# Altium PCB PCB1.PcbDoc (part 5 of 6)
Units mm, origin at the board's own origin, x right, y up, seen from the top; angles counter-clockwise.
Board outline 298.25 x 690.26 mm, 2 copper layers (Top Layer, Bottom Layer); 51 components, 44 nets, 196 pads, 2408 vias.
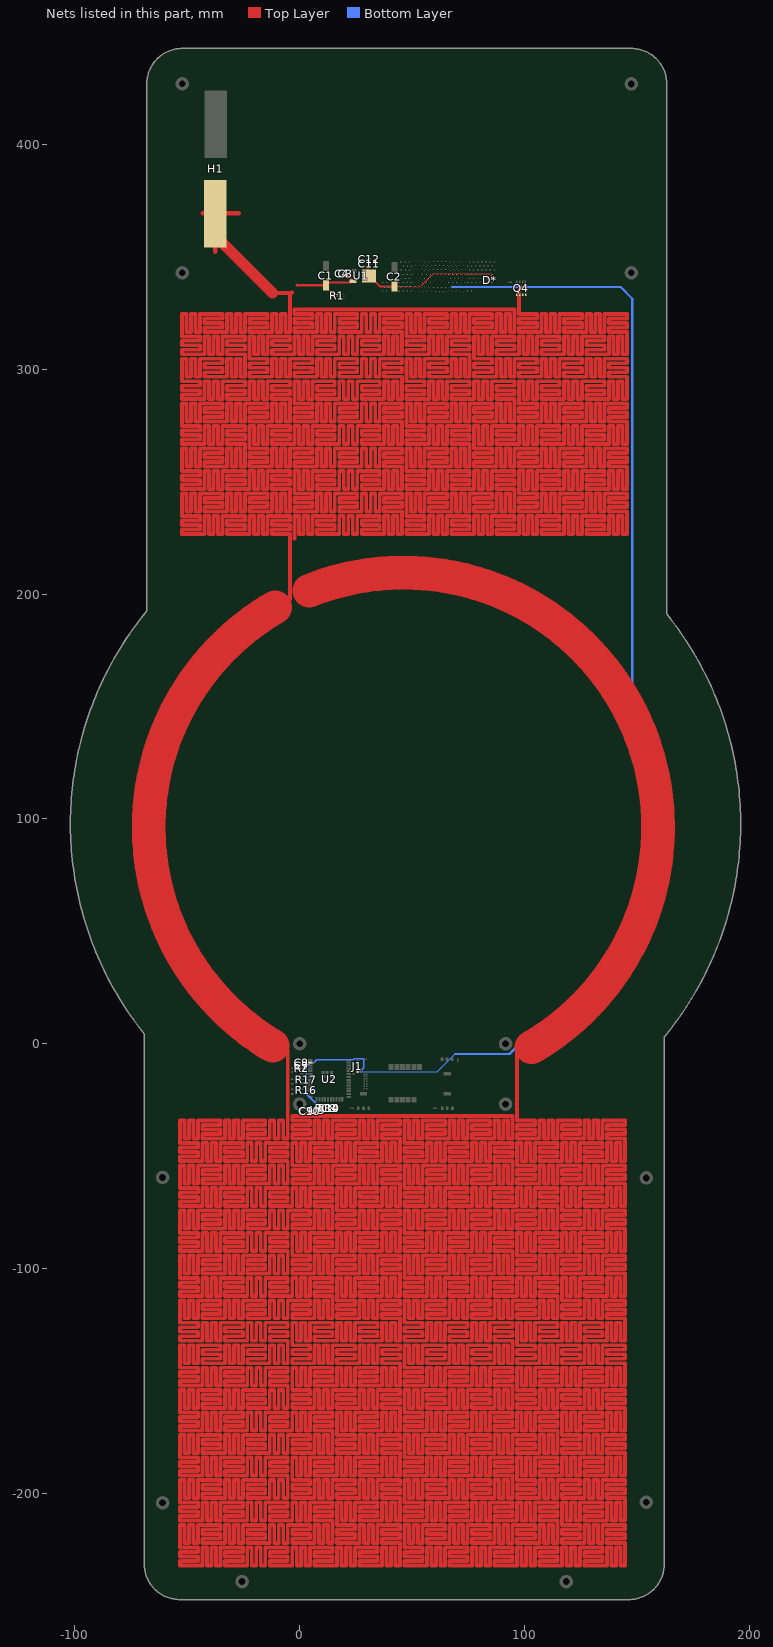
[diagram p5: the nets of this part, all layers, seen from the top]

## Via types
v1: diameter 0.6, hole 0.3, Top Layer to Bottom Layer, tented both sides, 2403 vias
v2: diameter 1.27, hole 0.711, Top Layer to Bottom Layer, tented both sides, 5 vias

## Nets (pads, with @x,y where several pads share a name; then routed paths per layer and width w, separated by ;. In a path a pad name is that pad's centre, name@x,y a point inside that pad or via, vN(x,y) a via of type N, cw(c..) or ccw(c..) an arc to the next point about the centre after c; other vN are vias at no path point) (continued)
VCC: (continued)
  Top Layer w1.75: 94.704,-32.18 94.704,-42.18 92.704,-42.18 92.704,-34.18 90.704,-34.18 90.704,-42.18 88.704,-42.18 88.704,-34.18 86.704,-34.18 86.704,-42.18 76.704,-42.18 76.704,-40.18 84.704,-40.18 84.704,-38.18 76.704,-38.18 76.704,-36.18 84.704,-36.18 84.704,-34.18 74.704,-34.18 74.704,-42.18 72.704,-42.18 72.704,-34.18 70.704,-34.18 70.704,-42.18 68.704,-42.18 68.704,-34.18 66.704,-34.18 66.704,-42.18 56.704,-42.18 56.704,-40.18 64.704,-40.18 64.704,-38.18 56.704,-38.18 56.704,-36.18 64.704,-36.18 64.704,-34.18 54.704,-34.18 54.704,-42.18 52.704,-42.18 52.704,-34.18 50.704,-34.18 50.704,-42.18 48.704,-42.18 48.704,-34.18 46.704,-34.18 46.704,-44.18 54.704,-44.18 54.704,-46.18 46.704,-46.18 46.704,-48.18 54.704,-48.18 54.704,-50.18 46.704,-50.18 46.704,-52.18 56.704,-52.18 56.704,-44.18 58.704,-44.18 58.704,-52.18 60.704,-52.18 60.704,-44.18 62.704,-44.18 62.704,-52.18 64.704,-52.18 64.704,-44.18 74.704,-44.18 74.704,-46.18 66.704,-46.18 66.704,-48.18 74.704,-48.18 74.704,-50.18 66.704,-50.18 66.704,-52.18 76.704,-52.18 76.704,-44.18 78.704,-44.18 78.704,-52.18 80.704,-52.18 80.704,-44.18 82.704,-44.18 82.704,-52.18 84.704,-52.18 84.704,-44.18 94.704,-44.18 94.704,-46.18 86.704,-46.18 86.704,-48.18 94.704,-48.18 94.704,-50.18 86.704,-50.18 86.704,-52.18 94.704,-52.18 94.704,-62.18 92.704,-62.18 92.704,-54.18 90.704,-54.18 90.704,-62.18 88.704,-62.18 88.704,-54.18 86.704,-54.18 86.704,-62.18 76.704,-62.18 76.704,-60.18 84.704,-60.18 84.704,-58.18 76.704,-58.18 76.704,-56.18 84.704,-56.18 84.704,-54.18 74.704,-54.18 74.704,-62.18 72.704,-62.18 72.704,-54.18 70.704,-54.18 70.704,-62.18 68.704,-62.18 68.704,-54.18 66.704,-54.18 66.704,-62.18 56.704,-62.18 56.704,-60.18 64.704,-60.18 64.704,-58.18 56.704,-58.18 56.704,-56.18 64.704,-56.18 64.704,-54.18 54.704,-54.18 54.704,-62.18 52.704,-62.18 52.704,-54.18 50.704,-54.18 50.704,-62.18 48.704,-62.18 48.704,-54.18 46.704,-54.18 46.704,-64.18 54.704,-64.18 54.704,-66.18 46.704,-66.18 46.704,-68.18 54.704,-68.18 54.704,-70.18 46.704,-70.18 46.704,-72.18 56.704,-72.18 56.704,-64.18 58.704,-64.18 58.704,-72.18 60.704,-72.18 60.704,-64.18 62.704,-64.18 62.704,-72.18 64.704,-72.18 64.704,-64.18 74.704,-64.18 74.704,-66.18 66.704,-66.18 66.704,-68.18 74.704,-68.18 74.704,-70.18 66.704,-70.18 66.704,-72.18 76.704,-72.18 76.704,-64.18 78.704,-64.18 78.704,-72.18 80.704,-72.18 80.704,-64.18 82.704,-64.18 82.704,-72.18 84.704,-72.18 84.704,-64.18 94.704,-64.18 94.704,-66.18 86.704,-66.18 86.704,-68.18 94.704,-68.18 94.704,-70.18 86.704,-70.18 86.704,-72.18 96.704,-72.18 96.704,-64.18 98.704,-64.18 98.704,-72.18 100.704,-72.18 100.704,-64.18 102.704,-64.18 102.704,-72.18 104.704,-72.18 104.704,-64.18 114.704,-64.18 114.704,-66.18 106.704,-66.18 106.704,-68.18 114.704,-68.18 114.704,-70.18 106.704,-70.18 106.704,-72.18 114.704,-72.18 114.704,-82.18 112.704,-82.18 112.704,-74.18 110.704,-74.18 110.704,-82.18 108.704,-82.18 108.704,-74.18 106.704,-74.18 106.704,-82.18 96.704,-82.18 96.704,-80.18 104.704,-80.18 104.704,-78.18 96.704,-78.18 96.704,-76.18 104.704,-76.18 104.704,-74.18 94.704,-74.18 94.704,-82.18 92.704,-82.18 92.704,-74.18 90.704,-74.18 90.704,-82.18 88.704,-82.18 88.704,-74.18 86.704,-74.18 86.704,-82.18 76.704,-82.18 76.704,-80.18 84.704,-80.18 84.704,-78.18 76.704,-78.18 76.704,-76.18 84.704,-76.18 84.704,-74.18 74.704,-74.18 74.704,-82.18 72.704,-82.18 72.704,-74.18 70.704,-74.18 70.704,-82.18 68.704,-82.18 68.704,-74.18 66.704,-74.18 66.704,-82.18 56.704,-82.18 56.704,-80.18 64.704,-80.18 64.704,-78.18 56.704,-78.18 56.704,-76.18 64.704,-76.18 64.704,-74.18 54.704,-74.18 54.704,-82.18 52.704,-82.18 52.704,-74.18 50.704,-74.18 50.704,-82.18 48.704,-82.18 48.704,-74.18 46.704,-74.18 46.704,-84.18 54.704,-84.18 54.704,-86.18 46.704,-86.18 46.704,-88.18 54.704,-88.18 54.704,-90.18 46.704,-90.18 46.704,-92.18 56.704,-92.18 56.704,-84.18 58.704,-84.18 58.704,-92.18 60.704,-92.18 60.704,-84.18 62.704,-84.18 62.704,-92.18 64.704,-92.18 64.704,-84.18 74.704,-84.18 74.704,-86.18 66.704,-86.18 66.704,-88.18 74.704,-88.18 74.704,-90.18 66.704,-90.18 66.704,-92.18 76.704,-92.18 76.704,-84.18 78.704,-84.18 78.704,-92.18 80.704,-92.18 80.704,-84.18 82.704,-84.18 82.704,-92.18 84.704,-92.18 84.704,-84.18 94.704,-84.18 94.704,-86.18 86.704,-86.18 86.704,-88.18 94.704,-88.18 94.704,-90.18 86.704,-90.18 86.704,-92.18 94.704,-92.18 94.704,-102.18 92.704,-102.18 92.704,-94.18 90.704,-94.18 90.704,-102.18 88.704,-102.18 88.704,-94.18 86.704,-94.18 86.704,-102.18 76.704,-102.18 76.704,-100.18 84.704,-100.18 84.704,-98.18 76.704,-98.18 76.704,-96.18 84.704,-96.18 84.704,-94.18 74.704,-94.18 74.704,-102.18 72.704,-102.18 72.704,-94.18 70.704,-94.18 70.704,-102.18 68.704,-102.18 68.704,-94.18 66.704,-94.18 66.704,-102.18 56.704,-102.18 56.704,-100.18 64.704,-100.18 64.704,-98.18 56.704,-98.18 56.704,-96.18 64.704,-96.18 64.704,-94.18 54.704,-94.18 54.704,-102.18 52.704,-102.18 52.704,-94.18 50.704,-94.18 50.704,-102.18 48.704,-102.18 48.704,-94.18 46.704,-94.18 46.704,-104.18 54.704,-104.18 54.704,-106.18 46.704,-106.18 46.704,-108.18 54.704,-108.18 54.704,-110.18 46.704,-110.18 46.704,-112.18 56.704,-112.18 56.704,-104.18 58.704,-104.18 58.704,-112.18 60.704,-112.18 60.704,-104.18 62.704,-104.18 62.704,-112.18 64.704,-112.18 64.704,-104.18 74.704,-104.18 74.704,-106.18 66.704,-106.18 66.704,-108.18 74.704,-108.18 74.704,-110.18 66.704,-110.18 66.704,-112.18 76.704,-112.18 76.704,-104.18 78.704,-104.18 78.704,-112.18 80.704,-112.18 80.704,-104.18 82.704,-104.18 82.704,-112.18 84.704,-112.18 84.704,-104.18 94.704,-104.18 94.704,-106.18 86.704,-106.18 86.704,-108.18 94.704,-108.18 94.704,-110.18 86.704,-110.18 86.704,-112.18 96.704,-112.18 96.704,-104.18 98.704,-104.18 98.704,-112.18 100.704,-112.18 100.704,-104.18 102.704,-104.18 102.704,-112.18 104.704,-112.18 104.704,-104.18 114.704,-104.18 114.704,-106.18 106.704,-106.18 106.704,-108.18 114.704,-108.18 114.704,-110.18 106.704,-110.18 106.704,-112.18 114.704,-112.18 114.704,-122.18 112.704,-122.18 112.704,-114.18 110.704,-114.18 110.704,-122.18 108.704,-122.18 108.704,-114.18 106.704,-114.18 106.704,-122.18 96.704,-122.18 96.704,-120.18 104.704,-120.18 104.704,-118.18 96.704,-118.18 96.704,-116.18 104.704,-116.18 104.704,-114.18 94.704,-114.18 94.704,-122.18 92.704,-122.18 92.704,-114.18 90.704,-114.18 90.704,-122.18 88.704,-122.18 88.704,-114.18 86.704,-114.18 86.704,-122.18 76.704,-122.18 76.704,-120.18 84.704,-120.18 84.704,-118.18 76.704,-118.18 76.704,-116.18 84.704,-116.18 84.704,-114.18 74.704,-114.18 74.704,-122.18 72.704,-122.18 72.704,-114.18 70.704,-114.18 70.704,-122.18 68.704,-122.18 68.704,-114.18 66.704,-114.18 66.704,-122.18 56.704,-122.18 56.704,-120.18 64.704,-120.18 64.704,-118.18 56.704,-118.18 56.704,-116.18 64.704,-116.18 64.704,-114.18 54.704,-114.18 54.704,-122.18 52.704,-122.18 52.704,-114.18 50.704,-114.18 50.704,-122.18 48.704,-122.18 48.704,-114.18 46.704,-114.18 46.704,-124.18 54.704,-124.18 54.704,-126.18 46.704,-126.18 46.704,-128.18 54.704,-128.18 54.704,-130.18 46.704,-130.18 46.704,-132.18 56.704,-132.18 56.704,-124.18 58.704,-124.18 58.704,-132.18 60.704,-132.18 60.704,-124.18 62.704,-124.18 62.704,-132.18 64.704,-132.18 64.704,-124.18 74.704,-124.18 74.704,-126.18 66.704,-126.18 66.704,-128.18 74.704,-128.18 74.704,-130.18 66.704,-130.18 66.704,-132.18 76.704,-132.18 76.704,-124.18 78.704,-124.18 78.704,-132.18 80.704,-132.18 80.704,-124.18 82.704,-124.18 82.704,-132.18 84.704,-132.18 84.704,-124.18 94.704,-124.18 94.704,-126.18 86.704,-126.18 86.704,-128.18 94.704,-128.18 94.704,-130.18 86.704,-130.18 86.704,-132.18 94.704,-132.18 94.704,-142.18 92.704,-142.18 92.704,-134.18 90.704,-134.18 90.704,-142.18 88.704,-142.18 88.704,-134.18 86.704,-134.18 86.704,-142.18 76.704,-142.18 76.704,-140.18 84.704,-140.18 84.704,-138.18 76.704,-138.18 76.704,-136.18 84.704,-136.18 84.704,-134.18 74.704,-134.18 74.704,-142.18 72.704,-142.18 72.704,-134.18 70.704,-134.18 70.704,-142.18 68.704,-142.18 68.704,-134.18 66.704,-134.18 66.704,-142.18 56.704,-142.18 56.704,-140.18 64.704,-140.18 64.704,-138.18 56.704,-138.18 56.704,-136.18 64.704,-136.18 64.704,-134.18 54.704,-134.18 54.704,-142.18 52.704,-142.18 52.704,-134.18 50.704,-134.18 50.704,-142.18 48.704,-142.18 48.704,-134.18 46.704,-134.18 46.704,-144.18 54.704,-144.18 54.704,-146.18 46.704,-146.18 46.704,-148.18 54.704,-148.18 54.704,-150.18 46.704,-150.18 46.704,-152.18 56.704,-152.18 56.704,-144.18 58.704,-144.18 58.704,-152.18 60.704,-152.18 60.704,-144.18 62.704,-144.18 62.704,-152.18 64.704,-152.18 64.704,-144.18 74.704,-144.18 74.704,-146.18 66.704,-146.18 66.704,-148.18 74.704,-148.18 74.704,-150.18 66.704,-150.18 66.704,-152.18 76.704,-152.18 76.704,-144.18 78.704,-144.18 78.704,-152.18 80.704,-152.18 80.704,-144.18 82.704,-144.18 82.704,-152.18 84.704,-152.18 84.704,-144.18 94.704,-144.18 94.704,-146.18 86.704,-146.18 86.704,-148.18 94.704,-148.18 94.704,-150.18 86.704,-150.18 86.704,-152.18 94.704,-152.18 94.704,-162.18 92.704,-162.18 92.704,-154.18 90.704,-154.18 90.704,-162.18 88.704,-162.18 88.704,-154.18 86.704,-154.18 86.704,-162.18 76.704,-162.18 76.704,-160.18 84.704,-160.18 84.704,-158.18 76.704,-158.18 76.704,-156.18 84.704,-156.18 84.704,-154.18 74.704,-154.18 74.704,-162.18 72.704,-162.18 72.704,-154.18 70.704,-154.18 70.704,-162.18 68.704,-162.18 68.704,-154.18 66.704,-154.18 66.704,-162.18 56.704,-162.18 56.704,-160.18 64.704,-160.18 64.704,-158.18 56.704,-158.18 56.704,-156.18 64.704,-156.18 64.704,-154.18 54.704,-154.18 54.704,-162.18 52.704,-162.18 52.704,-154.18 50.704,-154.18 50.704,-162.18 48.704,-162.18 48.704,-154.18 46.704,-154.18 46.704,-164.18 54.704,-164.18 54.704,-166.18 46.704,-166.18 46.704,-168.18 54.704,-168.18 54.704,-170.18 46.704,-170.18 46.704,-172.18 56.704,-172.18 56.704,-164.18 58.704,-164.18 58.704,-172.18 60.704,-172.18 60.704,-164.18 62.704,-164.18 62.704,-172.18 64.704,-172.18 64.704,-164.18 74.704,-164.18 74.704,-166.18 66.704,-166.18 66.704,-168.18 74.704,-168.18 74.704,-170.18 66.704,-170.18 66.704,-172.18 76.704,-172.18 76.704,-164.18 78.704,-164.18 78.704,-172.18 80.704,-172.18 80.704,-164.18 82.704,-164.18 82.704,-172.18 84.704,-172.18 84.704,-164.18 94.704,-164.18 94.704,-166.18 86.704,-166.18 86.704,-168.18 94.704,-168.18 94.704,-170.18 86.704,-170.18 86.704,-172.18 96.704,-172.18 96.704,-164.18 98.704,-164.18 98.704,-172.18 100.704,-172.18 100.704,-164.18 102.704,-164.18 102.704,-172.18 104.704,-172.18 104.704,-164.18 114.704,-164.18 114.704,-166.18 106.704,-166.18 106.704,-168.18 114.704,-168.18 114.704,-170.18 106.704,-170.18 106.704,-172.18 114.704,-172.18 114.704,-182.18 112.704,-182.18 112.704,-174.18 110.704,-174.18 110.704,-182.18 108.704,-182.18 108.704,-174.18 106.704,-174.18 106.704,-182.18 96.704,-182.18 96.704,-180.18 104.704,-180.18 104.704,-178.18 96.704,-178.18 96.704,-176.18 104.704,-176.18 104.704,-174.18 94.704,-174.18 94.704,-182.18 92.704,-182.18 92.704,-174.18 90.704,-174.18 90.704,-182.18 88.704,-182.18 88.704,-174.18 86.704,-174.18 86.704,-182.18 76.704,-182.18 76.704,-180.18 84.704,-180.18 84.704,-178.18 76.704,-178.18 76.704,-176.18 84.704,-176.18 84.704,-174.18 74.704,-174.18 74.704,-182.18 72.704,-182.18 72.704,-174.18 70.704,-174.18 70.704,-182.18 68.704,-182.18 68.704,-174.18 66.704,-174.18 66.704,-182.18 56.704,-182.18 56.704,-180.18 64.704,-180.18 64.704,-178.18 56.704,-178.18 56.704,-176.18 64.704,-176.18 64.704,-174.18 54.704,-174.18 54.704,-182.18 52.704,-182.18 52.704,-174.18 50.704,-174.18 50.704,-182.18 48.704,-182.18 48.704,-174.18 46.704,-174.18 46.704,-184.18 54.704,-184.18 54.704,-186.18 46.704,-186.18 46.704,-188.18 54.704,-188.18 54.704,-190.18 46.704,-190.18 46.704,-192.18 56.704,-192.18 56.704,-184.18 58.704,-184.18 58.704,-192.18 60.704,-192.18 60.704,-184.18 62.704,-184.18 62.704,-192.18 64.704,-192.18 64.704,-184.18 74.704,-184.18 74.704,-186.18 66.704,-186.18 66.704,-188.18 74.704,-188.18 74.704,-190.18 66.704,-190.18 66.704,-192.18 76.704,-192.18 76.704,-184.18 78.704,-184.18 78.704,-192.18 80.704,-192.18 80.704,-184.18 82.704,-184.18 82.704,-192.18 84.704,-192.18 84.704,-184.18 94.704,-184.18 94.704,-186.18 86.704,-186.18 86.704,-188.18 94.704,-188.18 94.704,-190.18 86.704,-190.18 86.704,-192.18 94.704,-192.18 94.704,-202.18 92.704,-202.18 92.704,-194.18 90.704,-194.18 90.704,-202.18 88.704,-202.18 88.704,-194.18 86.704,-194.18 86.704,-202.18 76.704,-202.18 76.704,-200.18 84.704,-200.18 84.704,-198.18 76.704,-198.18 76.704,-196.18 84.704,-196.18 84.704,-194.18 74.704,-194.18 74.704,-202.18 72.704,-202.18 72.704,-194.18 70.704,-194.18 70.704,-202.18 68.704,-202.18 68.704,-194.18 66.704,-194.18 66.704,-202.18 56.704,-202.18 56.704,-200.18 64.704,-200.18 64.704,-198.18 56.704,-198.18 56.704,-196.18 64.704,-196.18 64.704,-194.18 54.704,-194.18 54.704,-202.18 52.704,-202.18 52.704,-194.18 50.704,-194.18 50.704,-202.18 48.704,-202.18 48.704,-194.18 46.704,-194.18 46.704,-204.18 54.704,-204.18 54.704,-206.18 46.704,-206.18 46.704,-208.18 54.704,-208.18 54.704,-210.18 46.704,-210.18 46.704,-212.18 56.704,-212.18 56.704,-204.18 58.704,-204.18 58.704,-212.18 60.704,-212.18 60.704,-204.18 62.704,-204.18 62.704,-212.18 64.704,-212.18 64.704,-204.18 74.704,-204.18 74.704,-206.18 66.704,-206.18 66.704,-208.18 74.704,-208.18 74.704,-210.18 66.704,-210.18 66.704,-212.18 76.704,-212.18 76.704,-204.18 78.704,-204.18 78.704,-212.18 80.704,-212.18 80.704,-204.18 82.704,-204.18 82.704,-212.18 84.704,-212.18 84.704,-204.18 94.704,-204.18 94.704,-206.18 86.704,-206.18 86.704,-208.18 94.704,-208.18 94.704,-210.18 86.704,-210.18 86.704,-212.18 96.704,-212.18 96.704,-204.18 98.704,-204.18 98.704,-212.18 100.704,-212.18 100.704,-204.18 102.704,-204.18 102.704,-212.18 104.704,-212.18 104.704,-204.18 114.704,-204.18 114.704,-206.18 106.704,-206.18 106.704,-208.18 114.704,-208.18 114.704,-210.18 106.704,-210.18 106.704,-212.18 114.704,-212.18 114.704,-222.18 112.704,-222.18 112.704,-214.18 110.704,-214.18 110.704,-222.18 108.704,-222.18 108.704,-214.18 106.704,-214.18 106.704,-222.18 96.704,-222.18 96.704,-220.18 104.704,-220.18 104.704,-218.18 96.704,-218.18 96.704,-216.18 104.704,-216.18 104.704,-214.18 94.704,-214.18 94.704,-222.18 92.704,-222.18 92.704,-214.18 90.704,-214.18 90.704,-222.18 88.704,-222.18 88.704,-214.18 86.704,-214.18 86.704,-222.18 76.704,-222.18 76.704,-220.18 84.704,-220.18 84.704,-218.18 76.704,-218.18 76.704,-216.18 84.704,-216.18 84.704,-214.18 74.704,-214.18 74.704,-222.18 72.704,-222.18 72.704,-214.18 70.704,-214.18 70.704,-222.18 68.704,-222.18 68.704,-214.18 66.704,-214.18 66.704,-222.18 56.704,-222.18 56.704,-220.18 64.704,-220.18 64.704,-218.18 56.704,-218.18 56.704,-216.18 64.704,-216.18 64.704,-214.18 54.704,-214.18 54.704,-222.18 52.704,-222.18 52.704,-214.18 50.704,-214.18 50.704,-222.18 48.704,-222.18 48.704,-214.18 46.704,-214.18 46.704,-224.18 54.704,-224.18 54.704,-226.18 46.704,-226.18 46.704,-228.18 54.704,-228.18 54.704,-230.18 46.704,-230.18 46.704,-232.18 56.704,-232.18 56.704,-224.18 58.704,-224.18 58.704,-232.18 60.704,-232.18 60.704,-224.18 62.704,-224.18 62.704,-232.18 64.704,-232.18 64.704,-224.18 74.704,-224.18 74.704,-226.18 66.704,-226.18 66.704,-228.18 74.704,-228.18 74.704,-230.18 66.704,-230.18 66.704,-232.18 76.704,-232.18 76.704,-224.18 78.704,-224.18 78.704,-232.18 80.704,-232.18 80.704,-224.18 82.704,-224.18 82.704,-232.18 84.704,-232.18 84.704,-224.18 94.704,-224.18 94.704,-226.18 86.704,-226.18 86.704,-228.18 94.704,-228.18 94.704,-230.18 86.704,-230.18 86.704,-232.18 94.704,-232.18 96.704,-232.18 96.704,-224.18 98.704,-224.18 98.704,-232.18 100.704,-232.18 100.704,-224.18 102.704,-224.18 102.704,-232.18 104.704,-232.18 104.704,-224.18 114.704,-224.18 114.704,-226.18 106.704,-226.18 106.704,-228.18 114.704,-228.18 114.704,-230.18 106.704,-230.18 106.704,-232.18 116.704,-232.18 116.704,-224.18 118.704,-224.18 118.704,-232.18 120.704,-232.18 120.704,-224.18 122.704,-224.18 122.704,-232.18 124.704,-232.18 124.704,-224.18 134.704,-224.18 134.704,-226.18 126.704,-226.18 126.704,-228.18 134.704,-228.18 134.704,-230.18 126.704,-230.18 126.704,-232.18 136.704,-232.18 136.704,-224.18 138.704,-224.18 138.704,-232.18 140.704,-232.18 140.704,-224.18 142.704,-224.18 142.704,-232.18 144.704,-232.18 144.704,-222.18 136.704,-222.18 136.704,-220.18 144.704,-220.18 144.704,-218.18 136.704,-218.18 136.704,-216.18 144.704,-216.18 144.704,-214.18 134.704,-214.18 134.704,-222.18 132.704,-222.18 132.704,-214.18 130.704,-214.18 130.704,-222.18 128.704,-222.18 128.704,-214.18 126.704,-214.18 126.704,-222.18 116.704,-222.18 116.704,-220.18 124.704,-220.18 124.704,-218.18 116.704,-218.18 116.704,-216.18 124.704,-216.18 124.704,-214.18 116.704,-214.18 116.704,-204.18 118.704,-204.18 118.704,-212.18 120.704,-212.18 120.704,-204.18 122.704,-204.18 122.704,-212.18 124.704,-212.18 124.704,-204.18 134.704,-204.18 134.704,-206.18 126.704,-206.18 126.704,-208.18 134.704,-208.18 134.704,-210.18 126.704,-210.18 126.704,-212.18 136.704,-212.18 136.704,-204.18 138.704,-204.18 138.704,-212.18 140.704,-212.18 140.704,-204.18 142.704,-204.18 142.704,-212.18 144.704,-212.18 144.704,-202.18 136.704,-202.18 136.704,-200.18 144.704,-200.18 144.704,-198.18 136.704,-198.18 136.704,-196.18 144.704,-196.18 144.704,-194.18 134.704,-194.18 134.704,-202.18 132.704,-202.18 132.704,-194.18 130.704,-194.18 130.704,-202.18 128.704,-202.18 128.704,-194.18 126.704,-194.18 126.704,-202.18 116.704,-202.18 116.704,-200.18 124.704,-200.18 124.704,-198.18 116.704,-198.18 116.704,-196.18 124.704,-196.18 124.704,-194.18 114.704,-194.18 114.704,-202.18 112.704,-202.18 112.704,-194.18 110.704,-194.18 110.704,-202.18 108.704,-202.18 108.704,-194.18 106.704,-194.18 106.704,-202.18 96.704,-202.18 96.704,-200.18 104.704,-200.18 104.704,-198.18 96.704,-198.18 96.704,-196.18 104.704,-196.18 104.704,-194.18 96.704,-194.18 96.704,-184.18 98.704,-184.18 98.704,-192.18 100.704,-192.18 100.704,-184.18 102.704,-184.18 102.704,-192.18 104.704,-192.18 104.704,-184.18 114.704,-184.18 114.704,-186.18 106.704,-186.18 106.704,-188.18 114.704,-188.18 114.704,-190.18 106.704,-190.18 106.704,-192.18 116.704,-192.18 116.704,-184.18 118.704,-184.18 118.704,-192.18 120.704,-192.18 120.704,-184.18 122.704,-184.18 122.704,-192.18 124.704,-192.18 124.704,-184.18 134.704,-184.18 134.704,-186.18 126.704,-186.18 126.704,-188.18 134.704,-188.18 134.704,-190.18 126.704,-190.18 126.704,-192.18 136.704,-192.18 136.704,-184.18 138.704,-184.18 138.704,-192.18 140.704,-192.18 140.704,-184.18 142.704,-184.18 142.704,-192.18 144.704,-192.18 144.704,-182.18 136.704,-182.18 136.704,-180.18 144.704,-180.18 144.704,-178.18 136.704,-178.18 136.704,-176.18 144.704,-176.18 144.704,-174.18 134.704,-174.18 134.704,-182.18 132.704,-182.18 132.704,-174.18 130.704,-174.18 130.704,-182.18 128.704,-182.18 128.704,-174.18 126.704,-174.18 126.704,-182.18 116.704,-182.18 116.704,-180.18 124.704,-180.18 124.704,-178.18 116.704,-178.18 116.704,-176.18 124.704,-176.18 124.704,-174.18 116.704,-174.18 116.704,-164.18 118.704,-164.18 118.704,-172.18 120.704,-172.18 120.704,-164.18 122.704,-164.18 122.704,-172.18 124.704,-172.18 124.704,-164.18 134.704,-164.18 134.704,-166.18 126.704,-166.18 126.704,-168.18 134.704,-168.18 134.704,-170.18 126.704,-170.18 126.704,-172.18 136.704,-172.18 136.704,-164.18 138.704,-164.18 138.704,-172.18 140.704,-172.18 140.704,-164.18 142.704,-164.18 142.704,-172.18 144.704,-172.18 144.704,-162.18 136.704,-162.18 136.704,-160.18 144.704,-160.18 144.704,-158.18 136.704,-158.18 136.704,-156.18 144.704,-156.18 144.704,-154.18 134.704,-154.18 134.704,-162.18 132.704,-162.18 132.704,-154.18 130.704,-154.18 130.704,-162.18 128.704,-162.18 128.704,-154.18 126.704,-154.18 126.704,-162.18 116.704,-162.18 116.704,-160.18 124.704,-160.18 124.704,-158.18 116.704,-158.18 116.704,-156.18 124.704,-156.18 124.704,-154.18 114.704,-154.18 114.704,-162.18 112.704,-162.18 112.704,-154.18 110.704,-154.18 110.704,-162.18 108.704,-162.18 108.704,-154.18 106.704,-154.18 106.704,-162.18 96.704,-162.18 96.704,-160.18 104.704,-160.18 104.704,-158.18 96.704,-158.18 96.704,-156.18 104.704,-156.18 104.704,-154.18 96.704,-154.18 96.704,-144.18 98.704,-144.18 98.704,-152.18 100.704,-152.18 100.704,-144.18 102.704,-144.18 102.704,-152.18 104.704,-152.18 104.704,-144.18 114.704,-144.18 114.704,-146.18 106.704,-146.18 106.704,-148.18 114.704,-148.18 114.704,-150.18 106.704,-150.18 106.704,-152.18 116.704,-152.18 116.704,-144.18 118.704,-144.18 118.704,-152.18 120.704,-152.18 120.704,-144.18 122.704,-144.18 122.704,-152.18 124.704,-152.18 124.704,-144.18 134.704,-144.18 134.704,-146.18 126.704,-146.18 126.704,-148.18 134.704,-148.18 134.704,-150.18 126.704,-150.18 126.704,-152.18 136.704,-152.18 136.704,-144.18 138.704,-144.18 138.704,-152.18 140.704,-152.18 140.704,-144.18 142.704,-144.18 142.704,-152.18 144.704,-152.18 144.704,-142.18 136.704,-142.18 136.704,-140.18 144.704,-140.18 144.704,-138.18 136.704,-138.18 136.704,-136.18 144.704,-136.18 144.704,-134.18 134.704,-134.18 134.704,-142.18 132.704,-142.18 132.704,-134.18 130.704,-134.18 130.704,-142.18 128.704,-142.18 128.704,-134.18 126.704,-134.18 126.704,-142.18 116.704,-142.18 116.704,-140.18 124.704,-140.18 124.704,-138.18 116.704,-138.18 116.704,-136.18 124.704,-136.18 124.704,-134.18 114.704,-134.18 114.704,-142.18 112.704,-142.18 112.704,-134.18 110.704,-134.18 110.704,-142.18 108.704,-142.18 108.704,-134.18 106.704,-134.18 106.704,-142.18 96.704,-142.18 96.704,-140.18 104.704,-140.18 104.704,-138.18 96.704,-138.18 96.704,-136.18 104.704,-136.18 104.704,-134.18 96.704,-134.18 96.704,-124.18 98.704,-124.18 98.704,-132.18 100.704,-132.18 100.704,-124.18 102.704,-124.18 102.704,-132.18 104.704,-132.18 104.704,-124.18 114.704,-124.18 114.704,-126.18 106.704,-126.18 106.704,-128.18 114.704,-128.18 114.704,-130.18 106.704,-130.18 106.704,-132.18 116.704,-132.18 116.704,-124.18 118.704,-124.18 118.704,-132.18 120.704,-132.18 120.704,-124.18 122.704,-124.18 122.704,-132.18 124.704,-132.18 124.704,-124.18 134.704,-124.18 134.704,-126.18 126.704,-126.18 126.704,-128.18 134.704,-128.18 134.704,-130.18 126.704,-130.18 126.704,-132.18 136.704,-132.18 136.704,-124.18 138.704,-124.18 138.704,-132.18 140.704,-132.18 140.704,-124.18 142.704,-124.18 142.704,-132.18 144.704,-132.18 144.704,-122.18 136.704,-122.18 136.704,-120.18 144.704,-120.18 144.704,-118.18 136.704,-118.18 136.704,-116.18 144.704,-116.18 144.704,-114.18 134.704,-114.18 134.704,-122.18 132.704,-122.18 132.704,-114.18 130.704,-114.18 130.704,-122.18 128.704,-122.18 128.704,-114.18 126.704,-114.18 126.704,-122.18 116.704,-122.18 116.704,-120.18 124.704,-120.18 124.704,-118.18 116.704,-118.18 116.704,-116.18 124.704,-116.18 124.704,-114.18 116.704,-114.18 116.704,-104.18 118.704,-104.18 118.704,-112.18 120.704,-112.18 120.704,-104.18 122.704,-104.18 122.704,-112.18 124.704,-112.18 124.704,-104.18 134.704,-104.18 134.704,-106.18 126.704,-106.18 126.704,-108.18 134.704,-108.18 134.704,-110.18 126.704,-110.18 126.704,-112.18 136.704,-112.18 136.704,-104.18 138.704,-104.18 138.704,-112.18 140.704,-112.18 140.704,-104.18 142.704,-104.18 142.704,-112.18 144.704,-112.18 144.704,-102.18 136.704,-102.18 136.704,-100.18 144.704,-100.18 144.704,-98.18 136.704,-98.18 136.704,-96.18 144.704,-96.18 144.704,-94.18 134.704,-94.18 134.704,-102.18 132.704,-102.18 132.704,-94.18 130.704,-94.18 130.704,-102.18 128.704,-102.18 128.704,-94.18 126.704,-94.18 126.704,-102.18 116.704,-102.18 116.704,-100.18 124.704,-100.18 124.704,-98.18 116.704,-98.18 116.704,-96.18 124.704,-96.18 124.704,-94.18 114.704,-94.18 114.704,-102.18 112.704,-102.18 112.704,-94.18 110.704,-94.18 110.704,-102.18 108.704,-102.18 108.704,-94.18 106.704,-94.18 106.704,-102.18 96.704,-102.18 96.704,-100.18 104.704,-100.18 104.704,-98.18 96.704,-98.18 96.704,-96.18 104.704,-96.18 104.704,-94.18 96.704,-94.18 96.704,-84.18 98.704,-84.18 98.704,-92.18 100.704,-92.18 100.704,-84.18 102.704,-84.18 102.704,-92.18 104.704,-92.18 104.704,-84.18 114.704,-84.18 114.704,-86.18 106.704,-86.18 106.704,-88.18 114.704,-88.18 114.704,-90.18 106.704,-90.18 106.704,-92.18 116.704,-92.18 116.704,-84.18 118.704,-84.18 118.704,-92.18 120.704,-92.18 120.704,-84.18 122.704,-84.18 122.704,-92.18 124.704,-92.18 124.704,-84.18 134.704,-84.18 134.704,-86.18 126.704,-86.18 126.704,-88.18 134.704,-88.18 134.704,-90.18 126.704,-90.18 126.704,-92.18 136.704,-92.18 136.704,-84.18 138.704,-84.18 138.704,-92.18 140.704,-92.18 140.704,-84.18 142.704,-84.18 142.704,-92.18 144.704,-92.18 144.704,-82.18 136.704,-82.18 136.704,-80.18 144.704,-80.18 144.704,-78.18 136.704,-78.18 136.704,-76.18 144.704,-76.18 144.704,-74.18 134.704,-74.18 134.704,-82.18 132.704,-82.18 132.704,-74.18 130.704,-74.18 130.704,-82.18 128.704,-82.18 128.704,-74.18 126.704,-74.18 126.704,-82.18 116.704,-82.18 116.704,-80.18 124.704,-80.18 124.704,-78.18 116.704,-78.18 116.704,-76.18 124.704,-76.18 124.704,-74.18 116.704,-74.18 116.704,-64.18 118.704,-64.18 118.704,-72.18 120.704,-72.18 120.704,-64.18 122.704,-64.18 122.704,-72.18 124.704,-72.18 124.704,-64.18 134.704,-64.18 134.704,-66.18 126.704,-66.18 126.704,-68.18 134.704,-68.18 134.704,-70.18 126.704,-70.18 126.704,-72.18 136.704,-72.18 136.704,-64.18 138.704,-64.18 138.704,-72.18 140.704,-72.18 140.704,-64.18 142.704,-64.18 142.704,-72.18 144.704,-72.18 144.704,-62.18 136.704,-62.18 136.704,-60.18 144.704,-60.18 144.704,-58.18 136.704,-58.18 136.704,-56.18 144.704,-56.18 144.704,-54.18 134.704,-54.18 134.704,-62.18 132.704,-62.18 132.704,-54.18 130.704,-54.18 130.704,-62.18 128.704,-62.18 128.704,-54.18 126.704,-54.18 126.704,-62.18 116.704,-62.18 116.704,-60.18 124.704,-60.18 124.704,-58.18 116.704,-58.18 116.704,-56.18 124.704,-56.18 124.704,-54.18 114.704,-54.18 114.704,-62.18 112.704,-62.18 112.704,-54.18 110.704,-54.18 110.704,-62.18 108.704,-62.18 108.704,-54.18 106.704,-54.18 106.704,-62.18 96.704,-62.18 96.704,-60.18 104.704,-60.18 104.704,-58.18 96.704,-58.18 96.704,-56.18 104.704,-56.18 104.704,-54.18 96.704,-54.18 96.704,-44.18 98.704,-44.18 98.704,-52.18 100.704,-52.18 100.704,-44.18 102.704,-44.18 102.704,-52.18 104.704,-52.18 104.704,-44.18 114.704,-44.18 114.704,-46.18 106.704,-46.18 106.704,-48.18 114.704,-48.18 114.704,-50.18 106.704,-50.18 106.704,-52.18 116.704,-52.18 116.704,-44.18 118.704,-44.18 118.704,-52.18 120.704,-52.18 120.704,-44.18 122.704,-44.18 122.704,-52.18 124.704,-52.18 124.704,-44.18 134.704,-44.18 134.704,-46.18 126.704,-46.18 126.704,-48.18 134.704,-48.18 134.704,-50.18 126.704,-50.18 126.704,-52.18 136.704,-52.18 136.704,-44.18 138.704,-44.18 138.704,-52.18 140.704,-52.18 140.704,-44.18 142.704,-44.18 142.704,-52.18 144.704,-52.18 144.704,-42.18 136.704,-42.18 136.704,-40.18 144.704,-40.18 144.704,-38.18 136.704,-38.18 136.704,-36.18 144.704,-36.18 144.704,-34.18 134.704,-34.18 134.704,-42.18 132.704,-42.18 132.704,-34.18 130.704,-34.18 130.704,-42.18 128.704,-42.18 128.704,-34.18 126.704,-34.18 126.704,-42.18 116.704,-42.18 116.704,-40.18 124.704,-40.18 124.704,-38.18 116.704,-38.18 116.704,-36.18 124.704,-36.18 124.704,-34.18 114.704,-34.18 114.704,-42.18 112.704,-42.18 112.704,-34.18 110.704,-34.18 110.704,-42.18 108.704,-42.18 108.704,-34.18 106.704,-34.18 106.704,-42.18 96.704,-42.18 96.704,-40.18 104.704,-40.18 104.704,-38.18 96.704,-38.18 96.704,-36.18 104.704,-36.18 104.704,-34.18 96.704,-34.18 96.704,-32.18 96.704,-1.929 ; 95.622,324.546 95.622,326.603 ; 95.638,326.8 95.638,316.8 93.638,316.8 93.638,324.8 91.638,324.8 91.638,316.8 89.638,316.8 89.638,324.8 87.638,324.8 87.638,316.8 77.638,316.8 77.638,318.8 85.638,318.8 85.638,320.8 77.638,320.8 77.638,322.8 85.638,322.8 85.638,324.8 75.638,324.8 75.638,316.8 73.638,316.8 73.638,324.8 71.638,324.8 71.638,316.8 69.638,316.8 69.638,324.8 67.638,324.8 67.638,316.8 57.638,316.8 57.638,318.8 65.638,318.8 65.638,320.8 57.638,320.8 57.638,322.8 65.638,322.8 65.638,324.8 55.638,324.8 55.638,316.8 53.638,316.8 53.638,324.8 51.638,324.8 51.638,316.8 49.638,316.8 49.638,324.8 47.638,324.8 47.638,314.8 55.638,314.8 55.638,312.8 47.638,312.8 47.638,310.8 55.638,310.8 55.638,308.8 47.638,308.8 47.638,306.8 57.638,306.8 57.638,314.8 59.638,314.8 59.638,306.8 61.638,306.8 61.638,314.8 63.638,314.8 63.638,306.8 65.638,306.8 65.638,314.8 75.638,314.8 75.638,312.8 67.638,312.8 67.638,310.8 75.638,310.8 75.638,308.8 67.638,308.8 67.638,306.8 75.638,306.8 75.638,296.8 73.638,296.8 73.638,304.8 71.638,304.8 71.638,296.8 69.638,296.8 69.638,304.8 67.638,304.8 67.638,296.8 57.638,296.8 57.638,298.8 65.638,298.8 65.638,300.8 57.638,300.8 57.638,302.8 65.638,302.8 65.638,304.8 55.638,304.8 55.638,296.8 53.638,296.8 53.638,304.8 51.638,304.8 51.638,296.8 49.638,296.8 49.638,304.8 47.638,304.8 47.638,294.8 55.638,294.8 55.638,292.8 47.638,292.8 47.638,290.8 55.638,290.8 55.638,288.8 47.638,288.8 47.638,286.8 57.638,286.8 57.638,294.8 59.638,294.8 59.638,286.8 61.638,286.8 61.638,294.8 63.638,294.8 63.638,286.8 65.638,286.8 65.638,294.8 75.638,294.8 75.638,292.8 67.638,292.8 67.638,290.8 75.638,290.8 75.638,288.8 67.638,288.8 67.638,286.8 77.638,286.8 77.638,294.8 79.638,294.8 79.638,286.8 81.638,286.8 81.638,294.8 83.638,294.8 83.638,286.8 85.638,286.8 85.638,294.8 95.638,294.8 95.638,292.8 87.638,292.8 87.638,290.8 95.638,290.8 95.638,288.8 87.638,288.8 87.638,286.8 95.638,286.8 95.638,276.8 93.638,276.8 93.638,284.8 91.638,284.8 91.638,276.8 89.638,276.8 89.638,284.8 87.638,284.8 87.638,276.8 77.638,276.8 77.638,278.8 85.638,278.8 85.638,280.8 77.638,280.8 77.638,282.8 85.638,282.8 85.638,284.8 75.638,284.8 75.638,276.8 73.638,276.8 73.638,284.8 71.638,284.8 71.638,276.8 69.638,276.8 69.638,284.8 67.638,284.8 67.638,276.8 57.638,276.8 57.638,278.8 65.638,278.8 65.638,280.8 57.638,280.8 57.638,282.8 65.638,282.8 65.638,284.8 55.638,284.8 55.638,276.8 53.638,276.8 53.638,284.8 51.638,284.8 51.638,276.8 49.638,276.8 49.638,284.8 47.638,284.8 47.638,274.8 55.638,274.8 55.638,272.8 47.638,272.8 47.638,270.8 55.638,270.8 55.638,268.8 47.638,268.8 47.638,266.8 57.638,266.8 57.638,274.8 59.638,274.8 59.638,266.8 61.638,266.8 61.638,274.8 63.638,274.8 63.638,266.8 65.638,266.8 65.638,274.8 75.638,274.8 75.638,272.8 67.638,272.8 67.638,270.8 75.638,270.8 75.638,268.8 67.638,268.8 67.638,266.8 75.638,266.8 75.638,256.8 73.638,256.8 73.638,264.8 71.638,264.8 71.638,256.8 69.638,256.8 69.638,264.8 67.638,264.8 67.638,256.8 57.638,256.8 57.638,258.8 65.638,258.8 65.638,260.8 57.638,260.8 57.638,262.8 65.638,262.8 65.638,264.8 55.638,264.8 55.638,256.8 53.638,256.8 53.638,264.8 51.638,264.8 51.638,256.8 49.638,256.8 49.638,264.8 47.638,264.8 47.638,254.8 55.638,254.8 55.638,252.8 47.638,252.8 47.638,250.8 55.638,250.8 55.638,248.8 47.638,248.8 47.638,246.8 57.638,246.8 57.638,254.8 59.638,254.8 59.638,246.8 61.638,246.8 61.638,254.8 63.638,254.8 63.638,246.8 65.638,246.8 65.638,254.8 75.638,254.8 75.638,252.8 67.638,252.8 67.638,250.8 75.638,250.8 75.638,248.8 67.638,248.8 67.638,246.8 77.638,246.8 77.638,254.8 79.638,254.8 79.638,246.8 81.638,246.8 81.638,254.8 83.638,254.8 83.638,246.8 85.638,246.8 85.638,254.8 95.638,254.8 95.638,252.8 87.638,252.8 87.638,250.8 95.638,250.8 95.638,248.8 87.638,248.8 87.638,246.8 95.638,246.8 95.638,236.8 93.638,236.8 93.638,244.8 91.638,244.8 91.638,236.8 89.638,236.8 89.638,244.8 87.638,244.8 87.638,236.8 77.638,236.8 77.638,238.8 85.638,238.8 85.638,240.8 77.638,240.8 77.638,242.8 85.638,242.8 85.638,244.8 75.638,244.8 75.638,236.8 73.638,236.8 73.638,244.8 71.638,244.8 71.638,236.8 69.638,236.8 69.638,244.8 67.638,244.8 67.638,236.8 57.638,236.8 57.638,238.8 65.638,238.8 65.638,240.8 57.638,240.8 57.638,242.8 65.638,242.8 65.638,244.8 55.638,244.8 55.638,236.8 53.638,236.8 53.638,244.8 51.638,244.8 51.638,236.8 49.638,236.8 49.638,244.8 47.638,244.8 47.638,234.8 55.638,234.8 55.638,232.8 47.638,232.8 47.638,230.8 55.638,230.8 55.638,228.8 47.638,228.8 47.638,226.8 57.638,226.8 57.638,234.8 59.638,234.8 59.638,226.8 61.638,226.8 61.638,234.8 63.638,234.8 63.638,226.8 65.638,226.8 65.638,234.8 75.638,234.8 75.638,232.8 67.638,232.8 67.638,230.8 75.638,230.8 75.638,228.8 67.638,228.8 67.638,226.8 77.638,226.8 77.638,234.8 79.638,234.8 79.638,226.8 81.638,226.8 81.638,234.8 83.638,234.8 83.638,226.8 85.638,226.8 85.638,234.8 95.638,234.8 95.638,232.8 87.638,232.8 87.638,230.8 95.638,230.8 95.638,228.8 87.638,228.8 87.638,226.8 95.638,226.8 97.638,226.8 97.638,234.8 99.638,234.8 99.638,226.8 101.638,226.8 101.638,234.8 103.638,234.8 103.638,226.8 105.638,226.8 105.638,234.8 115.638,234.8 115.638,232.8 107.638,232.8 107.638,230.8 115.638,230.8 115.638,228.8 107.638,228.8 107.638,226.8 117.638,226.8 117.638,234.8 119.638,234.8 119.638,226.8 121.638,226.8 121.638,234.8 123.638,234.8 123.638,226.8 125.638,226.8 125.638,234.8 135.638,234.8 135.638,232.8 127.638,232.8 127.638,230.8 135.638,230.8 135.638,228.8 127.638,228.8 127.638,226.8 137.638,226.8 137.638,234.8 139.638,234.8 139.638,226.8 141.638,226.8 141.638,234.8 143.638,234.8 143.638,226.8 145.638,226.8 ; 96.72,-133.984 96.72,-131.926 ; 97.638,335.351 97.638,324.8 105.638,324.8 105.638,322.8 97.638,322.8 97.638,320.8 105.638,320.8 105.638,318.8 97.638,318.8 97.638,316.8 107.638,316.8 107.638,324.8 109.638,324.8 109.638,316.8 111.638,316.8 111.638,324.8 113.638,324.8 113.638,316.8 115.638,316.8 115.638,324.8 125.638,324.8 125.638,322.8 117.638,322.8 117.638,320.8 125.638,320.8 125.638,318.8 117.638,318.8 117.638,316.8 127.638,316.8 127.638,324.8 129.638,324.8 129.638,316.8 131.638,316.8 131.638,324.8 133.638,324.8 133.638,316.8 135.638,316.8 135.638,324.8 145.638,324.8 145.638,322.8 137.638,322.8 137.638,320.8 145.638,320.8 145.638,318.8 137.638,318.8 137.638,316.8 145.638,316.8 145.638,306.8 143.638,306.8 143.638,314.8 141.638,314.8 141.638,306.8 139.638,306.8 139.638,314.8 137.638,314.8 137.638,306.8 127.638,306.8 127.638,308.8 135.638,308.8 135.638,310.8 127.638,310.8 127.638,312.8 135.638,312.8 135.638,314.8 125.638,314.8 125.638,306.8 123.638,306.8 123.638,314.8 121.638,314.8 121.638,306.8 119.638,306.8 119.638,314.8 117.638,314.8 117.638,306.8 107.638,306.8 107.638,308.8 115.638,308.8 115.638,310.8 107.638,310.8 107.638,312.8 115.638,312.8 115.638,314.8 105.638,314.8 105.638,306.8 103.638,306.8 103.638,314.8 101.638,314.8 101.638,306.8 99.638,306.8 99.638,314.8 97.638,314.8 97.638,306.8 87.638,306.8 87.638,308.8 95.638,308.8 95.638,310.8 87.638,310.8 87.638,312.8 95.638,312.8 95.638,314.8 85.638,314.8 85.638,306.8 83.638,306.8 83.638,314.8 81.638,314.8 81.638,306.8 79.638,306.8 79.638,314.8 77.638,314.8 77.638,304.8 85.638,304.8 85.638,302.8 77.638,302.8 77.638,300.8 85.638,300.8 85.638,298.8 77.638,298.8 77.638,296.8 87.638,296.8 87.638,304.8 89.638,304.8 89.638,296.8 91.638,296.8 91.638,304.8 93.638,304.8 93.638,296.8 95.638,296.8 95.638,304.8 105.638,304.8 105.638,302.8 97.638,302.8 97.638,300.8 105.638,300.8 105.638,298.8 97.638,298.8 97.638,296.8 107.638,296.8 107.638,304.8 109.638,304.8 109.638,296.8 111.638,296.8 111.638,304.8 113.638,304.8 113.638,296.8 115.638,296.8 115.638,304.8 125.638,304.8 125.638,302.8 117.638,302.8 117.638,300.8 125.638,300.8 125.638,298.8 117.638,298.8 117.638,296.8 127.638,296.8 127.638,304.8 129.638,304.8 129.638,296.8 131.638,296.8 131.638,304.8 133.638,304.8 133.638,296.8 135.638,296.8 135.638,304.8 145.638,304.8 145.638,302.8 137.638,302.8 137.638,300.8 145.638,300.8 145.638,298.8 137.638,298.8 137.638,296.8 145.638,296.8 145.638,286.8 143.638,286.8 143.638,294.8 141.638,294.8 141.638,286.8 139.638,286.8 139.638,294.8 137.638,294.8 137.638,286.8 127.638,286.8 127.638,288.8 135.638,288.8 135.638,290.8 127.638,290.8 127.638,292.8 135.638,292.8 135.638,294.8 125.638,294.8 125.638,286.8 123.638,286.8 123.638,294.8 121.638,294.8 121.638,286.8 119.638,286.8 119.638,294.8 117.638,294.8 117.638,286.8 107.638,286.8 107.638,288.8 115.638,288.8 115.638,290.8 107.638,290.8 107.638,292.8 115.638,292.8 115.638,294.8 105.638,294.8 105.638,286.8 103.638,286.8 103.638,294.8 101.638,294.8 101.638,286.8 99.638,286.8 99.638,294.8 97.638,294.8 97.638,284.8 105.638,284.8 105.638,282.8 97.638,282.8 97.638,280.8 105.638,280.8 105.638,278.8 97.638,278.8 97.638,276.8 107.638,276.8 107.638,284.8 109.638,284.8 109.638,276.8 111.638,276.8 111.638,284.8 113.638,284.8 113.638,276.8 115.638,276.8 115.638,284.8 125.638,284.8 125.638,282.8 117.638,282.8 117.638,280.8 125.638,280.8 125.638,278.8 117.638,278.8 117.638,276.8 127.638,276.8 127.638,284.8 129.638,284.8 129.638,276.8 131.638,276.8 131.638,284.8 133.638,284.8 133.638,276.8 135.638,276.8 135.638,284.8 145.638,284.8 145.638,282.8 137.638,282.8 137.638,280.8 145.638,280.8 145.638,278.8 137.638,278.8 137.638,276.8 145.638,276.8 145.638,266.8 143.638,266.8 143.638,274.8 141.638,274.8 141.638,266.8 139.638,266.8 139.638,274.8 137.638,274.8 137.638,266.8 127.638,266.8 127.638,268.8 135.638,268.8 135.638,270.8 127.638,270.8 127.638,272.8 135.638,272.8 135.638,274.8 125.638,274.8 125.638,266.8 123.638,266.8 123.638,274.8 121.638,274.8 121.638,266.8 119.638,266.8 119.638,274.8 117.638,274.8 117.638,266.8 107.638,266.8 107.638,268.8 115.638,268.8 115.638,270.8 107.638,270.8 107.638,272.8 115.638,272.8 115.638,274.8 105.638,274.8 105.638,266.8 103.638,266.8 103.638,274.8 101.638,274.8 101.638,266.8 99.638,266.8 99.638,274.8 97.638,274.8 97.638,266.8 87.638,266.8 87.638,268.8 95.638,268.8 95.638,270.8 87.638,270.8 87.638,272.8 95.638,272.8 95.638,274.8 85.638,274.8 85.638,266.8 83.638,266.8 83.638,274.8 81.638,274.8 81.638,266.8 79.638,266.8 79.638,274.8 77.638,274.8 77.638,264.8 85.638,264.8 85.638,262.8 77.638,262.8 77.638,260.8 85.638,260.8 85.638,258.8 77.638,258.8 77.638,256.8 87.638,256.8 87.638,264.8 89.638,264.8 89.638,256.8 91.638,256.8 91.638,264.8 93.638,264.8 93.638,256.8 95.638,256.8 95.638,264.8 105.638,264.8 105.638,262.8 97.638,262.8 97.638,260.8 105.638,260.8 105.638,258.8 97.638,258.8 97.638,256.8 107.638,256.8 107.638,264.8 109.638,264.8 109.638,256.8 111.638,256.8 111.638,264.8 113.638,264.8 113.638,256.8 115.638,256.8 115.638,264.8 125.638,264.8 125.638,262.8 117.638,262.8 117.638,260.8 125.638,260.8 125.638,258.8 117.638,258.8 117.638,256.8 127.638,256.8 127.638,264.8 129.638,264.8 129.638,256.8 131.638,256.8 131.638,264.8 133.638,264.8 133.638,256.8 135.638,256.8 135.638,264.8 145.638,264.8 145.638,262.8 137.638,262.8 137.638,260.8 145.638,260.8 145.638,258.8 137.638,258.8 137.638,256.8 145.638,256.8 145.638,246.8 143.638,246.8 143.638,254.8 141.638,254.8 141.638,246.8 139.638,246.8 139.638,254.8 137.638,254.8 137.638,246.8 127.638,246.8 127.638,248.8 135.638,248.8 135.638,250.8 127.638,250.8 127.638,252.8 135.638,252.8 135.638,254.8 125.638,254.8 125.638,246.8 123.638,246.8 123.638,254.8 121.638,254.8 121.638,246.8 119.638,246.8 119.638,254.8 117.638,254.8 117.638,246.8 107.638,246.8 107.638,248.8 115.638,248.8 115.638,250.8 107.638,250.8 107.638,252.8 115.638,252.8 115.638,254.8 105.638,254.8 105.638,246.8 103.638,246.8 103.638,254.8 101.638,254.8 101.638,246.8 99.638,246.8 99.638,254.8 97.638,254.8 97.638,244.8 105.638,244.8 105.638,242.8 97.638,242.8 97.638,240.8 105.638,240.8 105.638,238.8 97.638,238.8 97.638,236.8 107.638,236.8 107.638,244.8 109.638,244.8 109.638,236.8 111.638,236.8 111.638,244.8 113.638,244.8 113.638,236.8 115.638,236.8 115.638,244.8 125.638,244.8 125.638,242.8 117.638,242.8 117.638,240.8 125.638,240.8 125.638,238.8 117.638,238.8 117.638,236.8 127.638,236.8 127.638,244.8 129.638,244.8 129.638,236.8 131.638,236.8 131.638,244.8 133.638,244.8 133.638,236.8 135.638,236.8 135.638,244.8 145.638,244.8 145.638,242.8 137.638,242.8 137.638,240.8 145.638,240.8 145.638,238.8 137.638,238.8 137.638,236.8 145.638,236.8 145.638,226.8 ; 98.587,336.811 98.597,336.821 ; 145.638,234.8 145.638,226.8
  Top Layer w1.8: H1.2@-37.446,359.419 H1.2@-37.446,369.419 ; -12.076,334.049 -3.73,334.049 -3.413,334.367
  Top Layer w2: -43.224,369.482 -26.989,369.482 ; -37.446,352.401 H1.2@-37.446,368.636
  Top Layer w5: H1.2@-37.446,359.419 -12.076,334.049
  Top Layer w15: -12.02,-0.924 cw(c46.173,96.31) -10.863,194.226 ; 4.274,201.596 cw(c46.173,96.31) 103.173,-1.628
Vdd: C2.1 C7.1 C8.1 C9.1 C10.1 C11.2 C12.2 D*.4 J1.5 R2.2 R4.1 R10.2 R16.2 R17.2 R18.2 U1.4 U2.2 U3.8 | length 663.3
  Top Layer w0.25: v1(2.226,-30.556) C9.1@3.217,-30.556 C10.1@4.398,-30.556 4.423,-30.531 6.003,-30.531 U3.8@6.028,-30.506 ; v1(2.331,-10.91) R2.2@1.315,-10.91 1.318,-10.908 1.318,-9.708 C7.1@1.32,-9.706 C8.1@1.32,-8.539 1.423,-8.436 U2.2@4.753,-8.436 ; v1(2.846,-22.237) R16.2@2.846,-21.221 ; v1(2.846,-17.567) R17.2@2.846,-16.551 ; R18.2@11.891,-28.24 v1(11.891,-27.224) ; R10.2@13.161,-28.215 v1(13.161,-27.142) ; v1(14.046,-27.142) 14.046,-27.225 14.431,-27.609 R4.1@14.431,-28.24 ; J1.5@25.715,-12.564 v1(26.731,-12.564) ; C12.2@30.599,349.138 30.599,347.106 30.599,342.059 U1.4@31.013,341.645 ; C2.1@42.12,336.989 53.95,336.989 59.519,342.558 85.088,342.558 85.538,342.108 D*.4@85.538,340.714
  Top Layer w0.8: U1.4@31.013,341.645 35.669,336.989 C2.1@42.12,336.989
  Bottom Layer w0.25: v1(2.226,-30.556) 4.502,-30.556 7.834,-27.224 ; v1(26.731,-12.564) 61.14,-12.564 69.171,-4.533
  Bottom Layer w0.6: v1(14.046,-27.142) 11.973,-27.142 v1(11.891,-27.224) 7.834,-27.224 v1(2.846,-22.237) v1(2.846,-17.567) 2.846,-11.425 v1(2.331,-10.91) 4.806,-8.436 v1(6.179,-8.436) 7.542,-7.073 23.959,-7.073 24.425,-6.607 28.046,-6.607 28.583,-7.144 28.583,-10.712 v1(26.731,-12.564)
  Bottom Layer w1: 67.774,336.716 142.855,336.716 148.059,331.512 148.059,133.075 ; 69.171,-4.533 93.431,-4.533 100.658,2.694
  Bottom Layer w2: 100.658,2.694 ccw(c46.173,96.31) 147.957,133.356
  other v1: 37.039,335.108 38.839,335.108 44.239,335.108 46.039,335.108 47.839,335.108 49.639,335.108 51.439,335.108 53.239,335.108 55.039,335.108 56.839,335.108 58.639,335.108 60.439,335.108 62.239,335.108 64.039,335.108 65.839,335.108 67.639,335.108 69.439,335.108 71.239,335.108 73.039,335.108 74.839,335.108 76.639,335.108 37.939,336.908 39.739,336.908 45.139,336.908 46.939,336.908 48.739,336.908 50.539,336.908 52.339,336.908 54.139,336.908 55.939,336.908 57.739,336.908 59.539,336.908 61.339,336.908 63.139,336.908 64.939,336.908 66.739,336.908 37.039,338.708 38.839,338.708 44.239,338.708 46.039,338.708 47.839,338.708 49.639,338.708 51.439,338.708 53.239,338.708 55.039,338.708 56.839,338.708 58.639,338.708 60.439,338.708 62.239,338.708 64.039,338.708 65.839,338.708 67.639,338.708 69.439,338.708 71.239,338.708 73.039,338.708 74.839,338.708 76.639,338.708 78.439,338.708 80.239,338.708 45.139,340.508 46.939,340.508 48.739,340.508 50.539,340.508 52.339,340.508 54.139,340.508 55.939,340.508 57.739,340.508 59.539,340.508 61.339,340.508 63.139,340.508 64.939,340.508 66.739,340.508 68.539,340.508 70.339,340.508 72.139,340.508 73.939,340.508 75.739,340.508 77.539,340.508 79.339,340.508 81.139,340.508 86.539,340.508 46.039,342.308 47.839,342.308 49.639,342.308 51.439,342.308 53.239,342.308 55.039,342.308 56.839,342.308 58.639,342.308 60.439,342.308 62.239,342.308 64.039,342.308 65.839,342.308 67.639,342.308 69.439,342.308 71.239,342.308 73.039,342.308 74.839,342.308 76.639,342.308 78.439,342.308 80.239,342.308 82.039,342.308 83.839,342.308 85.639,342.308 45.139,344.108 46.939,344.108 48.739,344.108 50.539,344.108 52.339,344.108 54.139,344.108 55.939,344.108 57.739,344.108 59.539,344.108 61.339,344.108 63.139,344.108 64.939,344.108 66.739,344.108 68.539,344.108 70.339,344.108 72.139,344.108 73.939,344.108 75.739,344.108 77.539,344.108 79.339,344.108 81.139,344.108 82.939,344.108 84.739,344.108 86.539,344.108 46.039,345.908 47.839,345.908 49.639,345.908 51.439,345.908 53.239,345.908 55.039,345.908 56.839,345.908 58.639,345.908 60.439,345.908 62.239,345.908 64.039,345.908 65.839,345.908 67.639,345.908 69.439,345.908 71.239,345.908 73.039,345.908 74.839,345.908 76.639,345.908 78.439,345.908 80.239,345.908 82.039,345.908 83.839,345.908 85.639,345.908 45.139,347.708 46.939,347.708 48.739,347.708 50.539,347.708 52.339,347.708 54.139,347.708 55.939,347.708 57.739,347.708 59.539,347.708 61.339,347.708 63.139,347.708 64.939,347.708 66.739,347.708 68.539,347.708 70.339,347.708 72.139,347.708 73.939,347.708 75.739,347.708 77.539,347.708 79.339,347.708 81.139,347.708 82.939,347.708 84.739,347.708 86.539,347.708
pads on no net: U2.4 U2.5 U2.10 U2.17 U2.18 U2.19 U2.20 U2.21 U2.22 U2.32
copper on no net: | length 16.2
  Top Layer w2: -37.446,370.201 -37.446,386.437

## Polygon pours and split planes (outlines as drawn)
GND on Top Layer "NONET_L-01_P-001" (solid, pour order 2): -5.886,-6.184 -6.775,-7.073 -6.775,-31.305 96.197,-31.305 96.349,-31.457 98.173,-29.633 98.173,3.359 79.287,3.359 79.188,3.458
GND on Top Layer "NONET_L-01_P-001" (solid, pour order 6): -67.881,328.432 ccw(c-66.551,328.432) -66.551,327.102 163.374,327.102 cw(c163.374,327.168) 163.308,327.168 163.308,427.18 ccw(c147.59,427.18) 147.59,442.897 -52.206,442.897 ccw(c-52.206,427.223) -67.881,427.223 -67.881,420.902
Vdd on Top Layer "NONET_L-01_P-001" (solid, pour order 4): 36.312,340.769 36.312,334.049 76.537,334.049 81.429,338.941 81.429,341.514 84.538,341.514 84.538,338.941 87.967,338.941 87.967,347.892 87.967,348.891 86.967,348.891 44.524,348.891 44.524,340.769
VCC on Top Layer "NONET_L-01_P-001" (solid, pour order 0): -44.494,388.151 1.861,388.151 1.861,328.588 -44.494,328.588
GND on Bottom Layer "NONET_L-01_P-001" (solid, pour order 8): 144.101,329.604 162.249,329.604 162.249,190.051 cw(c54.347,97.219) 162.234,4.368 162.249,-35.055 80.22,-35.055 80.22,25.106 ccw(c80.22,91.523) 146.636,91.734 ccw(c47.738,99.289) 96.857,185.459 101.048,225.21 144.101,225.21
GND on Bottom Layer "NONET_L-01_P-001" (solid, pour order 5): -67.881,328.432 ccw(c-66.551,328.432) -66.551,327.102 163.374,327.102 cw(c163.374,327.168) 163.308,327.168 163.308,427.18 ccw(c147.59,427.18) 147.59,442.897 -52.206,442.897 ccw(c-52.206,427.223) -67.881,427.223 -67.881,420.902
GND on Bottom Layer "NONET_L-01_P-001" (solid, pour order 1): -5.886,-6.184 -6.775,-7.073 -6.775,-35.305 92.5,-35.305 98.173,-29.633 98.173,3.359 79.287,3.359 79.188,3.458
GND on Bottom Layer "NONET_L-01_P-001" (solid, pour order 7): -68.235,330.874 -53.13,330.874 -53.13,-5.93 -4.87,-5.93 -4.87,-35.305 -69.139,-35.305
Vdd on Bottom Layer "NONET_L-01_P-001" (solid, pour order 3): 36.439,340.642 36.439,332.431 77.105,332.431 83.488,338.814 88.094,338.814 88.094,347.765 88.094,348.764 87.094,348.764 44.651,348.764 44.651,340.642

## Keep-outs
Keep-Out Layer:
  lines w0.01: -69.133,-231.577 ccw(c-53.365,-231.574) -53.411,-247.341 ccw(c-53.349,-247.23) -53.349,-247.357 146.447,-247.357 ccw(c146.482,-247.235) 146.482,-247.362 ccw(c146.482,-231.595) 146.873,-247.357 147.123,-247.357 ccw(c147.123,-247.23) 147.173,-247.347 ccw(c146.482,-231.595) 162.234,-232.292 ccw(c162.122,-232.231) 162.249,-232.231 162.249,-231.596 ccw(c162.247,-231.595) 162.249,-231.595 162.249,2.983 ccw(c47.122,97.77) 196.249,97.77 ccw(c47.122,97.77) 163.374,191.175 163.374,427.114 ccw(c163.248,427.114) 163.374,427.117 ccw(c147.606,427.114) 147.652,442.881 ccw(c147.59,442.77) 147.59,442.897 -52.206,442.897 ccw(c-52.241,442.775) -52.241,442.902 ccw(c-52.241,427.135) -52.632,442.897 -52.882,442.897 ccw(c-52.882,442.77) -52.932,442.887 ccw(c-52.241,427.135) -67.993,427.832 ccw(c-67.881,427.771) -68.008,427.771 -68.008,192.554 ccw(c47.122,97.77) -69.133,4.368 -69.133,-231.574 ccw(c-69.007,-231.574) -69.133,-231.577 ; -52.878,97.77 cw(c47.122,97.77) 47.122,197.77 cw(c47.122,97.77) 147.122,97.77 cw(c47.122,97.77) 47.122,-2.23 cw(c47.122,97.77) -52.878,97.77

## Other copper
Top Layer:
  drawing of 5494 lines, arcs and shapes, not listed
Bottom Layer:
  pour cut-out: 51.518,-6.184 51.518,-1.82 31.833,13.501 -5.886,13.501 -5.886,-6.184

## Silkscreen, mask and mechanical layers (free items; w line width, h text height)
Top Overlay:
  drawing of 2 lines, arcs and shapes, not listed
  text "Battery" at 128.216,424.675 h30 r180
  text "MKI" at 134.703,-36.984 h5
  text "WEARABLE / HEATER" at -30.782,-243.353 h10
Mechanical 1:
  circle w0.254: c47.122,97.77 r100
  lines w0.25: -69.005,-231.574 -69.005,4.44 ; -67.881,192.514 -67.881,427.771 ; -53.349,-247.23 147.123,-247.23 ; -52.882,442.77 147.59,442.77 ; 162.122,-232.231 162.122,3.018 ; 163.246,191.148 163.246,427.114
  lines w0.254: -69.018,4.429 cw(c47.122,97.77) -67.878,192.512 ; -69.005,-231.574 ccw(c-53.365,-231.574) -53.365,-247.214 ; -67.881,427.135 cw(c-52.241,427.135) -52.241,442.775 ; 146.482,-247.235 ccw(c146.482,-231.595) 162.122,-231.595 ; 147.606,442.754 cw(c147.606,427.114) 163.246,427.114 ; 162.117,3.022 ccw(c47.122,97.77) 163.234,191.145